# Altium PCB Main_Board.PcbDoc (part 1 of 3) (continued)
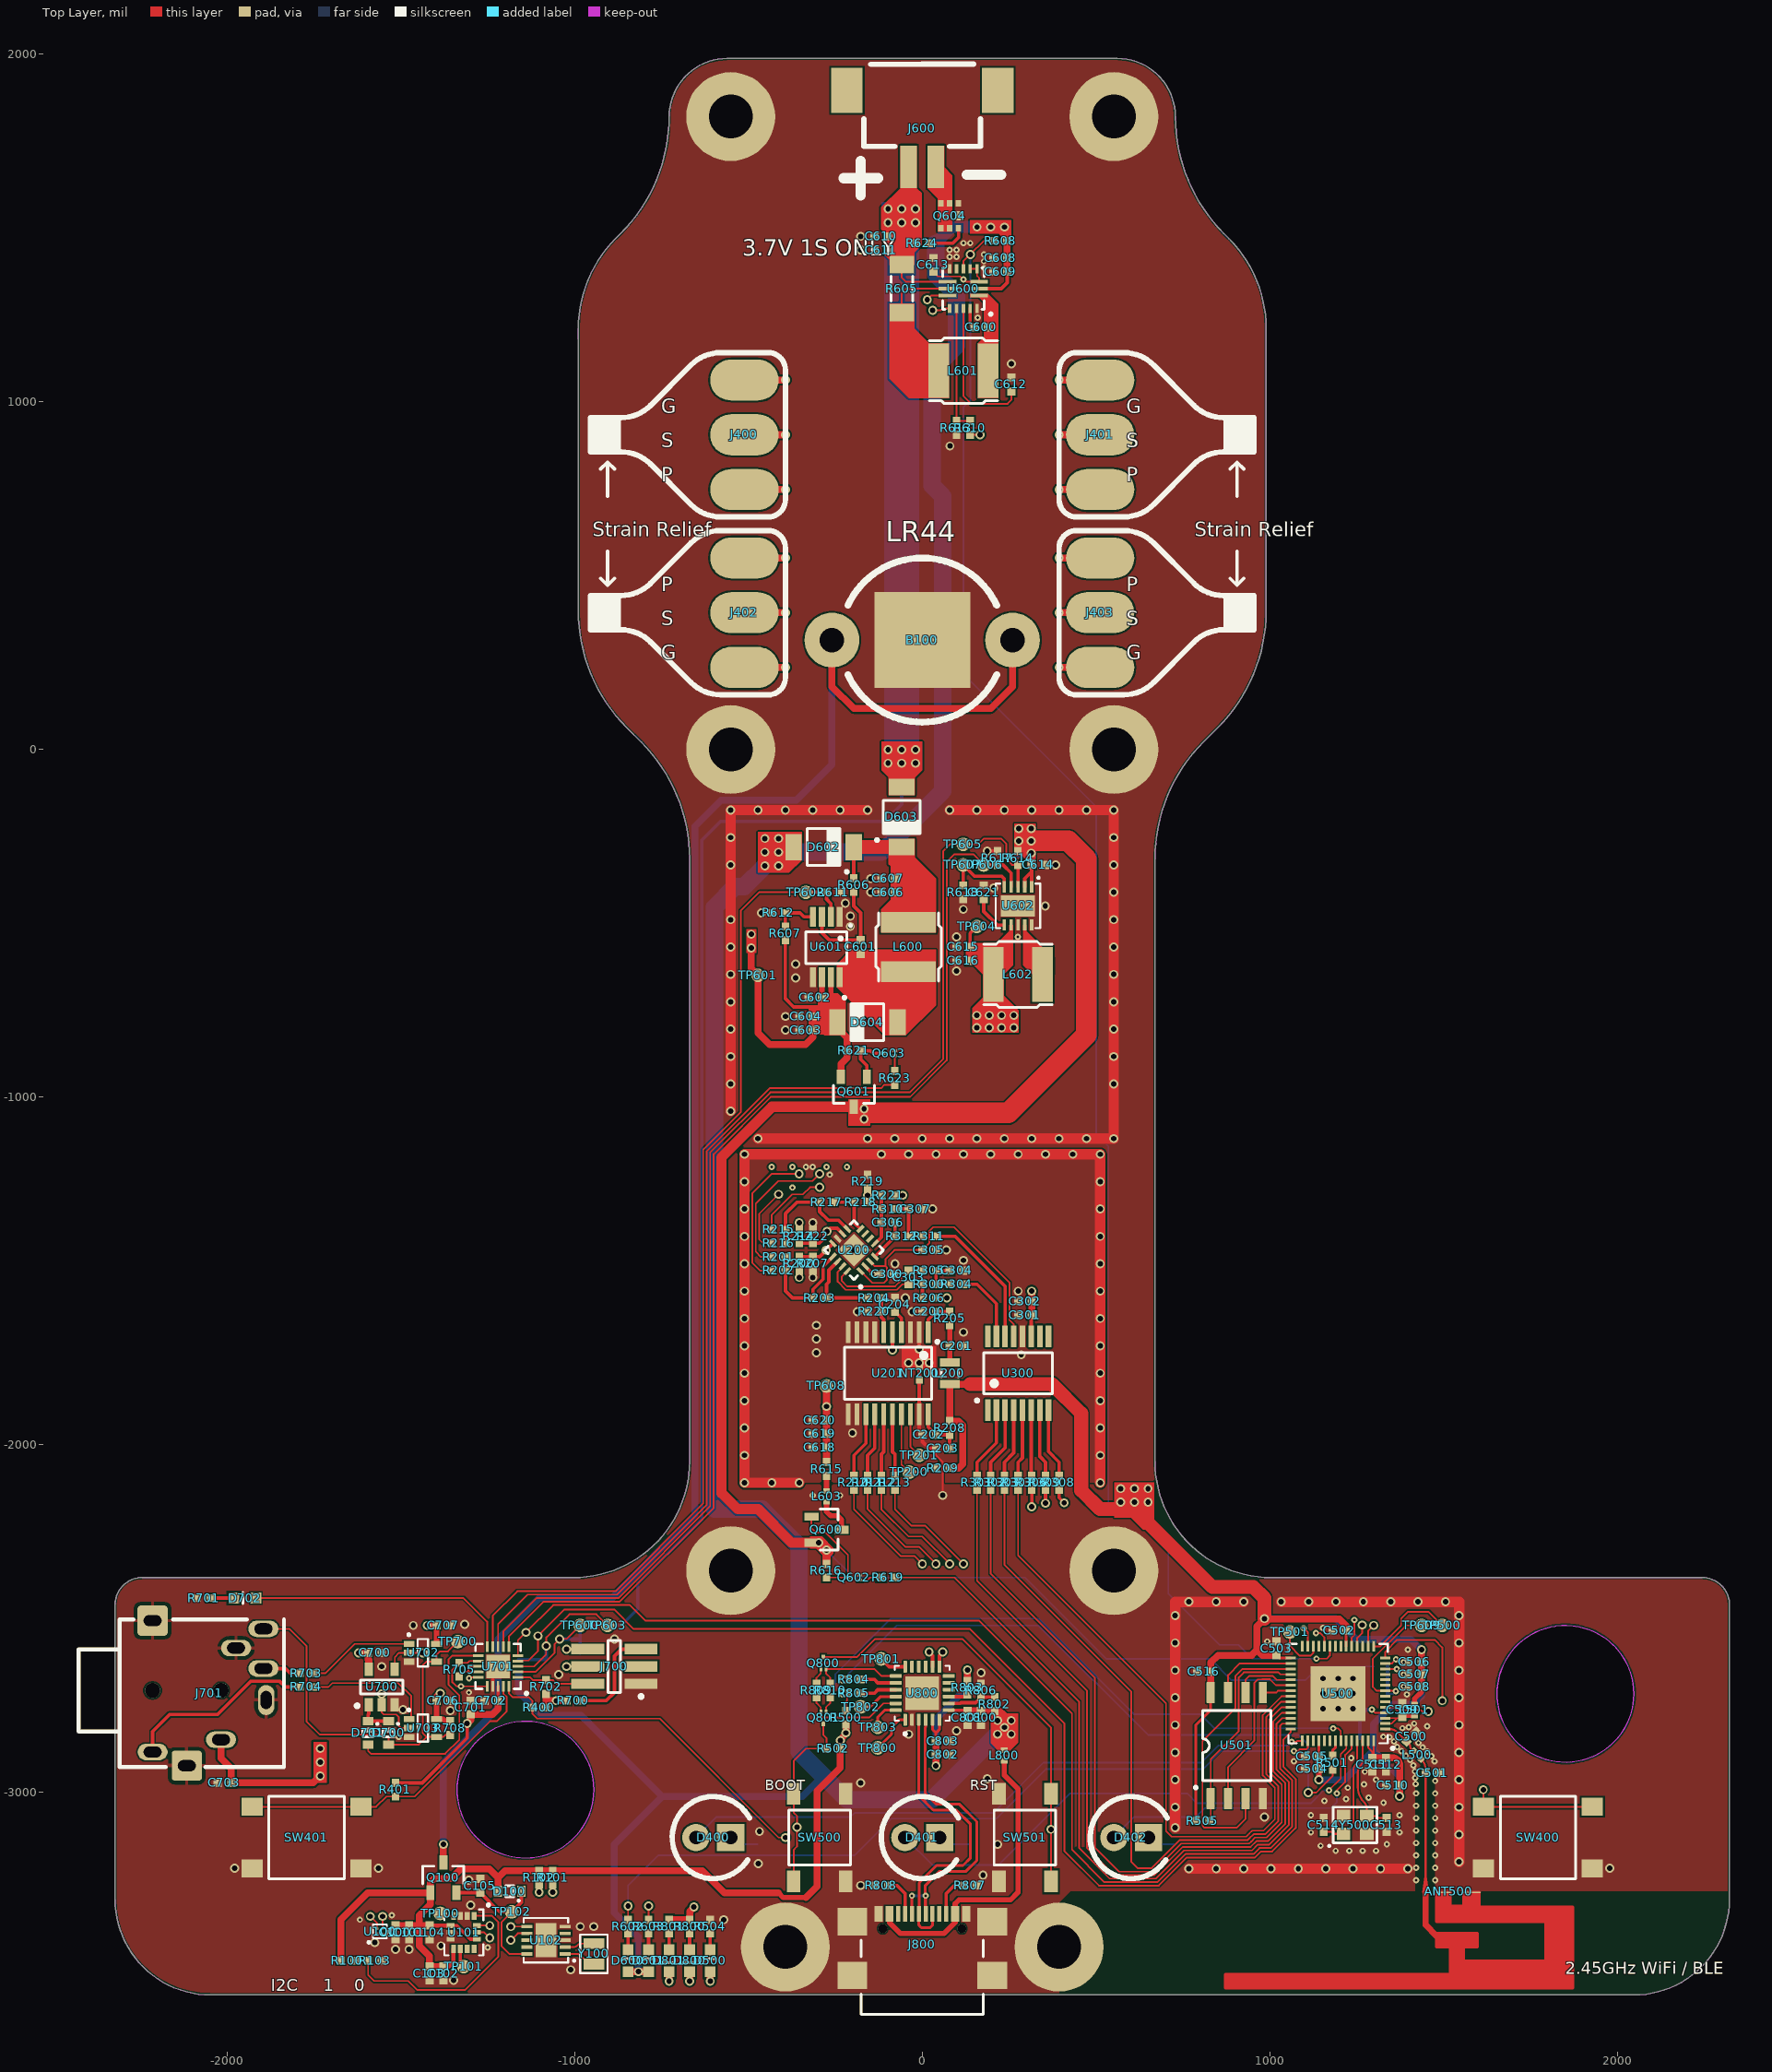
[diagram p0: Top Layer view]
## Components (designator, comment, footprint, x,y, rotation, side; value= is the part's Value field where it differs from the comment) (continued)
R610 "10k" RES,0402 137.8,925.2 r90 top
R611 "10k" RES,0402 -256.1,-410.57 r180 top
R612 "100k" RES,0402 -413.58,-469.63 r0 top
R613 "3380K" RES,0402 98.43,925.2 r270 top
R614 "100k" RES,0402 275.39,-312.15 r90 top
R615 "10R" RES,0402 -275.39,-2069.74 r90 top
R616 "10k" RES,0402 -275.59,-2362.2 r90 top
R617 "100k" RES,0402 216.34,-312.15 r270 top
R618 "100k" RES,0402 117.91,-410.57 r270 top
R619 "10k" RES,0402 -98.43,-2381.89 r0 top
R620 "10k" RES,0402 1318.9,-2637.8 r180 bottom
R621 "10k" RES,0402 -196.85,-866.14 r180 top
R622 "10k" RES,0402 1318.9,-2677.17 r0 bottom
R623 "10k" RES,0402 -78.74,-944.88 r270 top
R624 "10k" RES,0402 0,1456.69 r180 top
R700 "1k" RES,0402 -1003.94,-2736.22 r180 top
R701 "330R" RES,0402 -2066.93,-2440.94 r0 top
R702 "10k" RES,0402 -1082.68,-2696.85 r270 top
R703 "150R" RES,0402 -1771.65,-2657.48 r0 top
R704 "150R" RES,0402 -1771.65,-2696.85 r0 top
R705 "10k" RES,0402 -1332.26,-2647.03 r90 top
R708 "10k" RES,0402 -1358.27,-2814.96 r90 top
R800 "150R" RES,0402 -669.29,-3385.83 r90 top
R801 "150R" RES,0402 -728.35,-3385.83 r90 top
R802 "22k" RES,0402 208.66,-2746.04 r90 top
R803 "1k" RES,0402 129.92,-2698.79 r90 top
R804 "0R" RES,0402 -196.85,-2675.17 r180 top
R805 "0R" RES,0402 -196.85,-2714.54 r180 top
R806 "47k" RES,0402 169.3,-2706.67 r270 top
R807 "5k11" RES,0402 137.8,-3267.72 r180 top
R808 "5k11" RES,0402 -118.11,-3267.72 r0 top
R809 "10k" RES,0402 -304.13,-2706.67 r270 top
R810 "10k" RES,0402 -264.76,-2706.67 r90 top
SW400 "Switch" Switch,Tactile,SPST-NO,SMD 1771.65,-3129.92 r180 top locked
SW401 "Switch" Switch,Tactile,SPST-NO,SMD -1771.65,-3129.92 r180 top locked
SW500 "Switch" SWITCH,TACTILE,MICRO,SPST-NO,SMD -295.28,-3129.92 r90 top
SW501 "Switch" SWITCH,TACTILE,MICRO,SPST-NO,SMD 295.28,-3129.92 r90 top
TP100 "TESTPOINT" TESTPOINT,SMD,ROUND,1MM -1386.9,-3348.17 r180 top
TP101 "TESTPOINT" TESTPOINT,SMD,ROUND,1MM -1319.09,-3501.12 r180 top
TP102 "TESTPOINT" TESTPOINT,SMD,ROUND,1MM -1181.3,-3343.64 r180 top
TP200 "TESTPOINT" TESTPOINT,SMD,ROUND,1MM -37.49,-2078.75 r0 top
TP201 "TESTPOINT" TESTPOINT,SMD,ROUND,1MM -8.66,-2030.37 r0 top
TP500 "TESTPOINT" testpoint,smd,round,1mm 1496.06,-2519.68 r90 top
TP501 "TESTPOINT" testpoint,smd,round,1mm 1057.73,-2538.69 r90 top
TP600 "TESTPOINT" TESTPOINT,SMD,ROUND,1MM -984.25,-2519.68 r90 top
TP601 "TESTPOINT" TESTPOINT,SMD,ROUND,1MM -472.44,-649.61 r90 top
TP602 "TESTPOINT" TESTPOINT,SMD,ROUND,1MM -334.84,-410.57 r90 top
TP603 "TESTPOINT" TESTPOINT,SMD,ROUND,1MM -905.51,-2519.68 r90 top
TP604 "TESTPOINT" TESTPOINT,SMD,ROUND,1MM 157.28,-509 r90 top
TP605 "TESTPOINT" TESTPOINT,SMD,ROUND,1MM 117.91,-272.78 r90 top
TP606 "TESTPOINT" TESTPOINT,SMD,ROUND,1MM 176.97,-331.83 r90 top
TP607 "TESTPOINT" TESTPOINT,SMD,ROUND,1MM 117.91,-331.83 r90 top
TP608 "TESTPOINT" TESTPOINT,SMD,ROUND,1MM -275.59,-1830.71 r0 top
TP609 "TESTPOINT" TESTPOINT,SMD,ROUND,1MM 1437.01,-2519.68 r90 top
TP700 "TESTPOINT" testpoint,smd,round,1mm -1336.23,-2566.43 r90 top
TP800 "TESTPOINT" TESTPOINT,SMD,ROUND,1MM -127.95,-2872.02 r180 top
TP801 "TESTPOINT" TESTPOINT,SMD,ROUND,1MM -118.11,-2616.12 r180 top
TP802 "TESTPOINT" TESTPOINT,SMD,ROUND,1MM -177.16,-2753.91 r180 top
TP803 "TESTPOINT" TESTPOINT,SMD,ROUND,1MM -127.95,-2812.97 r180 top
U100 "MMC5633NJL" IC,WLP,2X2,P0.4MM -1568.54,-3407.71 r90 top
U101 "ISM330DHCXTR" IC,LGA-14L,2.5X3MM -1319.09,-3402.7 r270 top
U102 "PCF85063ATL/1,118" IC,DFN-10_3X3,P0.5MM -1082.68,-3425.2 r180 top
U200 "TLV9004SIRTER" IC,QFN-16,3X3 -196.65,-1439.82 r135 top
U201 "MCP3561RT-E/ST" IC,TSSOP-20,W4.4 -98.23,-1794.15 r270 top
U300 "PCM1780DBQR" IC,TSSOP-16,W3.9,P0.635MM 275.79,-1794.15 r90 top
U500 "ESP32-S3R8" IC,QFN-56,7X7,P0.4MM 1196.27,-2715.64 r180 top
U501 "AT25SF128A-SHB-T" IC,SOIC-8,1.27MM,W5.28 904.93,-2865.25 r90 top
U600 "MP2615AGQ-Z" IC,QFN-16,3x3,P5x3 118.31,1325.93 r180 top
U601 "LM2623AMM/NOPB" IC,TSSOP-8,W3.0 -275.79,-568.05 r270 top
U602 "RP506K331B-TR" IC,DFN-10_3X3,P0.5MM 275.39,-449.94 r270 top
U700 "SN74LVC1G240DBVT" sot23-5 -1555.12,-2696.85 r90 top
U701 "PIC18F14Q40-I/REB" IC,QFN-20,3X3,PAD,P0.4 -1220.47,-2637.8 r180 top
U702 "NS5B1G384DFT2G" SC70-5 -1437.01,-2598.43 r0 top
U703 "NS5B1G384DFT2G" SC70-5 -1437.01,-2814.96 r0 top
U800 "CP2102N-A02-GQFN24R" IC,VQFN-24,THERMAL,4X4 0,-2714.54 r90 top
Y100 "32.768kHz" XTAL,SMD,2PIN,2.0X1.2MM -944.88,-3464.57 r270 top
Y500 "40MHz" "XTAL,SMD,4 PIN,2X2.5MM" 1245.48,-3093.6 r0 top

## Footprints (in the part's own frame and the unit in brackets; to place one, negate y for a bottom-side part, rotate by r counter-clockwise, add the part's x,y. Pads: shape width x height; smd on the part's side, far side on the other; paste and mask are expansions set on the pad)
ANT,PCB,IFA,2.45GHZ [mm] "Cypress Antenna Design and RF Layout Guidelines"
  rect 0.1x0.1 smd mask+0.102: 1(0,0)
  rect 1.3x0.1 smd mask+0.102: 2(-3.362,0.127)
  rect 1.1x0.1 smd mask+0.102: 2(-1.287,0.127)
  Top Layer lines w0.203: 14.63,6.325 -10.77,6.325 ; -0.787,3.886 -3.787,3.886 ; -0.787,3.683 -3.787,3.683 ; -0.787,3.48 -3.787,3.48 ; -0.787,2.057 -10.77,2.057 ; -0.787,1.651 -10.77,1.651 ; -0.787,1.448 -10.77,1.448 ; -0.787,1.245 -10.77,1.245 ; -0.787,1.041 -1.787,1.041 ; -0.787,0.432 -1.787,0.432 ; -0.787,0.229 -1.287,0.229 -1.787,0.229 ; -1.787,6.121 -10.77,6.121 ; -1.787,5.918 -10.77,5.918 ; -1.787,5.715 -10.77,5.715 ; -1.787,5.309 -10.77,5.309 ; -1.787,5.105 -2.787,5.105 ; -1.787,4.293 -2.787,4.293 ; -2.787,4.699 -1.787,4.699 ; -3.937,0.838 -2.787,0.838 ; -3.937,0.635 -2.787,0.635 ; -3.937,0.432 -2.787,0.432 ; -3.937,0.229 -3.362,0.229 -2.787,0.229 ; -8.787,4.293 -10.77,4.293 ; -8.787,3.886 -10.77,3.886 ; -8.787,3.683 -10.77,3.683 ; -8.787,2.87 -10.77,2.87 ; -8.787,2.667 -10.77,2.667 ; -8.787,2.464 -10.77,2.464 ; -10.77,6.934 14.63,6.934 ; -10.77,6.731 14.63,6.731 ; -10.77,6.528 14.63,6.528 ; -10.77,5.105 -8.787,5.105 ; -10.77,4.699 -8.787,4.699 ; -10.77,4.496 -8.787,4.496 ; -10.77,4.089 -8.787,4.089 ; -10.77,3.48 -8.787,3.48 ; -10.77,3.073 -8.787,3.073 ; -10.77,2.261 -0.787,2.261 ; 14.63,6.934 14.63,6.934 ; 14.63,6.934 14.63,6.731 ; 14.63,6.934 14.63,7.137 -10.77,7.137 -10.77,5.715 ; 14.63,6.731 14.63,6.731 ; 14.63,6.731 14.63,6.528 ; 14.63,6.528 14.63,6.528 ; 14.63,6.528 14.63,6.127 -1.787,6.127 -1.787,5.512 ; -0.787,4.089 -3.787,4.089 ; -0.787,4.089 -0.787,3.309 -0.787,3.277 ; -0.787,4.089 -0.787,4.127 -1.787,4.127 -1.787,4.496 ; -0.787,3.277 -3.787,3.277 ; -0.787,3.277 -0.787,3.277 ; -0.787,3.277 -0.787,3.127 -3.787,3.127 -3.787,3.277 ; -0.787,2.261 -0.787,1.854 ; -0.787,2.261 -8.787,2.261 -8.787,3.073 ; -0.787,1.854 -10.77,1.854 ; -0.787,1.854 -0.787,1.854 ; -0.787,1.854 -0.787,0.838 ; -0.787,0.838 -1.787,0.838 ; -0.787,0.838 -0.787,0.838 ; -0.787,0.838 -0.787,0.635 ; -0.787,0.635 -0.787,0.127 -1.287,0.127 -1.787,0.127 ; -0.787,0.635 -1.787,0.635 ; -0.787,0.635 -0.787,0.635 ; -1.787,5.512 -10.77,5.512 ; -1.787,5.512 -1.787,5.512 ; -1.787,5.512 -1.787,4.902 ; -1.787,4.902 -2.787,4.902 ; -1.787,4.902 -1.787,4.902 ; -1.787,4.902 -1.787,4.699 ; -1.787,4.699 -1.787,4.496 ; -1.787,4.699 -1.787,4.699 ; -1.787,4.496 -2.787,4.496 ; -1.787,4.496 -1.787,4.496 ; -1.787,0.838 -1.787,0.635 ; -1.787,0.838 -1.787,1.127 -2.787,1.127 -2.787,1.041 ; -1.787,0.635 -1.787,0.432 ; -1.787,0.635 -1.787,0.635 ; -1.787,0.432 -1.787,0.229 ; -1.787,0.229 -1.787,0.127 ; -1.787,0.127 -1.787,0.127 ; -2.787,5.105 -2.787,4.902 ; -2.787,5.105 -2.787,5.127 -8.787,5.127 -8.787,5.105 ; -2.787,5.105 -2.787,5.105 ; -2.787,4.902 -2.787,4.496 ; -2.787,4.902 -2.787,4.902 ; -2.787,4.496 -2.787,4.127 -3.787,4.127 -3.787,4.089 ; -2.787,4.496 -2.787,4.496 ; -2.787,1.041 -3.937,1.041 ; -2.787,1.041 -2.787,1.041 ; -2.787,1.041 -2.787,0.838 ; -2.787,0.838 -2.787,0.635 ; -2.787,0.838 -2.787,0.838 ; -2.787,0.635 -2.787,0.635 ; -2.787,0.635 -2.787,0.432 ; -2.787,0.432 -2.787,0.229 ; -2.787,0.229 -2.787,0.127 ; -2.787,0.229 -2.787,0.229 ; -2.787,0.127 -2.787,0.127 ; -2.787,0.127 -3.362,0.127 -3.937,0.127 ; -2.787,0.127 -2.787,0.127 ; -3.787,4.089 -3.787,3.886 ; -3.787,4.089 -3.787,4.089 ; -3.787,3.886 -3.787,3.683 ; -3.787,3.886 -3.787,3.886 ; -3.787,3.683 -3.787,3.48 ; -3.787,3.683 -3.787,3.683 ; -3.787,3.48 -3.787,3.277 ; -3.787,3.48 -3.787,3.48 ; -3.787,3.277 -3.787,3.277 ; -3.937,1.041 -3.937,0.127 ; -3.937,1.041 -3.937,1.168 -10.236,1.194 -10.77,1.194 -10.77,1.245 ; -3.937,1.041 -3.937,1.041 ; -3.937,0.127 -3.937,0.127 ; -3.937,0.127 -3.937,0.127 ; -8.787,5.105 -8.787,4.902 ; -8.787,5.105 -8.787,5.105 ; -8.787,4.902 -8.787,4.699 ; -8.787,4.902 -10.77,4.902 ; -8.787,4.902 -8.787,4.902 ; -8.787,4.699 -8.787,4.496 ; -8.787,4.699 -8.787,4.699 ; -8.787,4.496 -8.787,4.089 ; -8.787,4.496 -8.787,4.496 ; -8.787,4.089 -8.787,3.48 ; -8.787,3.48 -8.787,3.277 ; -8.787,3.277 -8.787,3.073 ; -8.787,3.277 -10.77,3.277 ; -8.787,3.073 -8.787,3.073 ; -10.77,5.715 -10.77,5.512 ; -10.77,5.512 -10.77,5.309 ; -10.77,5.309 -10.77,4.902 ; -10.77,5.309 -10.77,5.309 ; -10.77,4.902 -10.77,3.277 ; -10.77,3.277 -10.77,2.464 ; -10.77,2.464 -10.77,2.057 ; -10.77,2.464 -10.77,2.464 ; -10.77,2.057 -10.77,1.854 ; -10.77,2.057 -10.77,2.057 ; -10.77,1.854 -10.77,1.448 ; -10.77,1.854 -10.77,1.854 ; -10.77,1.448 -10.77,1.245 ; -10.77,1.448 -10.77,1.448 ; -10.77,1.245 -10.77,1.245
  Top Layer lines w0.457: 0,0 0,2.521 -0.787,3.309 -0.854,3.375
CAP,SMD,0402 [mm] "KEMET C0402C100K5GACTU"
  rect 0.6x0.6 smd: 1(-0.5,0) 2(0.5,0)
  body extent -0.5,-0.25 0.5,0.25, height 0.5
Cap,SMD,0402 [mm] "KEMET C0402C100K5GACTU"
  rect 0.6x0.6 smd: 1(-0.5,0) 2(0.5,0)
  body extent -0.5,-0.25 0.5,0.25, height 0.5
CONN,JACK,TRS,3.5MM,THRU,SHIELDED [mm] "CUI Devices SJ-435107RS"
  rrect20% 2.2x2.2 hole 0.8 slot 1.3 at 0 deg mask+0.05: 0(2.4,5.1) 0(4.9,-5.5)
  rrect100% 1.2x2.2 hole 0.8 slot 1.3 at 90 deg mask+0.05: 1(10.7,-0.7)
  rrect100% 2.2x1.2 hole 0.8 slot 1.3 at 0 deg mask+0.05: 2(7.4,-3.6) 3(10.5,1.6) 4(2.4,-4.5) 5(8.5,3.1) 6(10.5,4.5)
  round 1.1 hole 1.1 unplated: ""(2.4,0) ""(7.4,0)
  silkscreen extent -3,-5.6 12,5.2, body extent -3,-5.85 12,5.45, height 8.3
Conn,JST,2Pin,2mm,SMD [mm] "Hirose DF3EA-2P-2H(21)"
  rect 2.3x3.3 smd mask+0.05: 0(-5.5,5.6) 0(5.52,5.6)
  rect 1.2x3.1 smd mask+0.05: 1(-1,0) 2(1,0)
  silkscreen extent -4.25,1.5 4.25,7.5, body extent -5.75,-0.9 5.75,7.5, height 5.8
CONN,USB_C,SMD [mm] "GCT USB4110-GF-A"
  rect 2.18x2 smd: 0(-5.11,-3.43) 0(-5.11,0.5) 0(5.11,0.5) 0(5.11,-3.43)
  rect 0.6x1.15 smd: A1/B12(-3.2,1.075) A4/B9(-2.4,1.075) A9/B4(2.4,1.075) A12/B1(3.2,1.075)
  rect 0.3x1.15 smd: A5(-1.25,1.075) A6(-0.25,1.075) A7(0.25,1.075) A8(1.25,1.075) B5(1.75,1.075) B6(0.75,1.075) B7(-0.75,1.075) B8(-1.75,1.075)
  round 0.65 hole 0.65 unplated: ""(-2.89,0) ""(2.89,0)
  silkscreen extent -4.47,-6.28 4.47,-0.86, body extent -5.65,-6.28 5.65,1.42, height 3.26
HOLDER,CELL,LR44,PCB,THRU [mm] "Keystone Electronics 2997"
  round 4 hole 1.8 mask+0.05: 1(-6.6,0) 1(6.6,0)
  rect 7x7 smd mask+0.05: 2(0,0)
  silkscreen extent -5.44,-6 5.44,6, body extent -7.45,-5.08 7.45,6.98, height 6.25
IC,DFN-10_3X3,P0.5MM [mil] "Microchip Technology MCP73833-BZI/MF"
  rect 32x10 smd paste+0 mask+1.97: 1(-55,39.37) 2(-55,19.69) 3(-55,0) 4(-55,-19.68) 5(-55,-39.37) 6(55,-39.37) 7(55,-19.68) 8(55,0) 9(55,19.69) 10(55,39.37)
  rect 60x98 smd paste+0 mask+0: 11(0,0)
  silkscreen extent -84,-64 64,64, body extent -59,-59 59,59, height 37
IC,LGA-14L,2.5X3MM [mil] "STMicroelectronics ISM330DHCXTR"
  rect 23x14 smd paste+0 mask+1.97: 1(-47.5,29.54) 2(-47.5,9.85) 3(-47.5,-9.84) 4(-47.5,-29.54) 8(47.5,-29.54) 9(47.5,-9.84) 10(47.5,9.85) 11(47.5,29.54)
  rect 14x23 smd paste+0 mask+1.97: 5(-19.69,-37.74) 6(0,-37.74) 7(19.69,-37.74) 12(19.69,37.74) 13(0,37.74) 14(-19.69,37.74)
  silkscreen extent -82,-56 66,75, body extent -61,-51 61,51, height 65
IC,QFN-16,3X3 [mm] "Nordic Semiconductor NRF24L01P"
  rect 0.65x0.25 smd: 1(-1.425,0.75) 2(-1.425,0.25) 3(-1.425,-0.25) 4(-1.425,-0.75) 9(1.425,-0.75) 10(1.425,-0.25) 11(1.425,0.25) 12(1.425,0.75)
  rect 0.25x0.65 smd: 5(-0.75,-1.425) 6(-0.25,-1.425) 7(0.25,-1.425) 8(0.75,-1.425) 13(0.75,1.425) 14(0.25,1.425) 15(-0.25,1.425) 16(-0.75,1.425)
  rect 1.7x1.7 smd mask+0.05: 17(0,0)
  silkscreen extent -2.35,-1.53 1.53,1.65, body extent -1.52,-1.55 1.52,1.49, height 0.9
IC,QFN-16,3x3,P5x3 [mm] "Nordic Semiconductor NRF24L01P"
  rect 1.3x0.25 smd mask+0.05: 1(-1.15,0.5) 2(-1.15,0) 3(-1.15,-0.5) 9(1.15,-0.5) 10(1.15,0) 11(1.15,0.5)
  rect 0.25x0.7 smd mask+0.05: 4(-1,-1.45) 5(-0.5,-1.45) 6(0,-1.45) 7(0.5,-1.45) 8(1,-1.45) 12(1,1.45) 13(0.5,1.45) 14(0,1.45) 15(-0.5,1.45) 16(-1,1.45)
  silkscreen extent -2.1,-1.53 1.53,1.96, body extent -1.5,-1.5 1.5,1.5, height 1.1
IC,QFN-20,3X3,PAD,P0.4 [mm] "Semtech SX1508B"
  rect 0.8x0.2 smd mask+0.05: 1(-1.45,0.8) 2(-1.45,0.4) 3(-1.45,0) 4(-1.45,-0.4) 5(-1.45,-0.8) 11(1.45,-0.8) 12(1.45,-0.4) 13(1.45,0) 14(1.45,0.4) 15(1.45,0.8)
  rect 0.2x0.8 smd mask+0.05: 6(-0.8,-1.45) 7(-0.4,-1.45) 8(0,-1.45) 9(0.4,-1.45) 10(0.8,-1.45) 16(0.8,1.45) 17(0.4,1.45) 18(0,1.45) 19(-0.4,1.45) 20(-0.8,1.45)
  rect 1.7x1.7 smd mask+0.05: 21(0,0)
  silkscreen extent -2.17,-1.65 1.65,2.07, body extent -1.55,-1.55 1.55,1.55, height 0.6
IC,QFN-56,7X7,P0.4MM [mil] "Espressif Systems ESP32-S2"
  rect 30x8 smd paste+0 mask+0: 1(-136,102.36) 2(-136,86.61) 3(-136,70.87) 4(-136,55.12) 5(-136,39.37) 6(-136,23.62) 7(-136,7.87) 8(-136,-7.87) 9(-136,-23.62) 10(-136,-39.37) 11(-136,-55.12) 12(-136,-70.87) 13(-136,-86.61) 14(-136,-102.36) 29(136,-102.36) 30(136,-86.61) 31(136,-70.87) 32(136,-55.12) 33(136,-39.37) 34(136,-23.62) 35(136,-7.87) 36(136,7.87) 37(136,23.62) 38(136,39.37) 39(136,55.12) 40(136,70.87) 41(136,86.61) 42(136,102.36)
  rect 8x30 smd paste+0 mask+0: 15(-102.36,-136) 16(-86.61,-136) 17(-70.87,-136) 18(-55.12,-136) 19(-39.37,-136) 20(-23.62,-136) 21(-7.87,-136) 22(7.87,-136) 23(23.62,-136) 24(39.37,-136) 25(55.12,-136) 26(70.87,-136) 27(86.61,-136) 28(102.36,-136) 43(102.36,136) 44(86.61,136) 45(70.87,136) 46(55.12,136) 47(39.37,136) 48(23.62,136) 49(7.87,136) 50(-7.87,136) 51(-23.62,136) 52(-39.37,136) 53(-55.12,136) 54(-70.87,136) 55(-86.61,136) 56(-102.36,136)
  rect 158x158 smd paste-78.5 mask+0: 57(0,0)
  silkscreen extent -161,-143 143,161, body extent -139,-139 139,139, height 35
IC,SOIC-8,1.27MM,W5.28 [mm] "Winbond W25Q64JV"
  rrect10% 1.55x0.6 smd mask+0.05: 1(-3.87,1.905) 2(-3.87,0.635) 3(-3.87,-0.635) 4(-3.87,-1.905) 5(3.87,-1.905) 6(3.87,-0.635) 7(3.87,0.635) 8(3.87,1.905)
  silkscreen extent -3.14,-2.5 2.57,3.07, body extent -4.05,-2.73 4.05,2.73, height 1.75
IC,TSSOP-8,W3.0 [mm] "Texas Instruments LM393ADGKR"
  rrect10% 1.45x0.45 smd mask+0.05: 1(-2.2,0.975) 2(-2.2,0.325) 3(-2.2,-0.325) 4(-2.2,-0.975) 5(2.2,-0.975) 6(2.2,-0.325) 7(2.2,0.325) 8(2.2,0.975)
  silkscreen extent -1.61,-1.5 1.2,1.81, body extent -2.05,-1.55 2.05,1.55, height 1.1
IC,TSSOP-16,W3.9,P0.635MM [mm] "Texas Instruments PCM1780DBQR"
  rrect10% 1.6x0.41 smd mask+0.05: 1(-2.7,2.222) 2(-2.7,1.587) 3(-2.7,0.952) 4(-2.7,0.317) 5(-2.7,-0.318) 6(-2.7,-0.953) 7(-2.7,-1.588) 8(-2.7,-2.222) 9(2.7,-2.222) 10(2.7,-1.587) 11(2.7,-0.953) 12(2.7,-0.317) 13(2.7,0.318) 14(2.7,0.953) 15(2.7,1.588) 16(2.7,2.222)
  silkscreen extent -2.09,-2.5 1.5,3.09, body extent -3,-2.49 3,2.49, height 1.1
IC,TSSOP-20,W4.4 [mm] "Texas Instruments SN74LVC244APWR"
  rrect10% 1.6x0.35 smd mask+0.05: 1(-3,2.925) 2(-3,2.275) 3(-3,1.625) 4(-3,0.975) 5(-3,0.325) 6(-3,-0.325) 7(-3,-0.975) 8(-3,-1.625) 9(-3,-2.275) 10(-3,-2.925) 11(3,-2.925) 12(3,-2.275) 13(3,-1.625) 14(3,-0.975) 15(3,-0.325) 16(3,0.325) 17(3,0.975) 18(3,1.625) 19(3,2.275) 20(3,2.925)
  silkscreen extent -2.39,-3.17 1.9,3.69, body extent -3.27,-3.3 3.28,3.3, height 1.2
IC,VQFN-24,THERMAL,4X4 [mm] "Texas Instruments BQ24616RGET"
  rrect25% 0.86x0.27 smd: 1(-1.935,1.25) 2(-1.935,0.75) 3(-1.935,0.25) 4(-1.935,-0.25) 5(-1.935,-0.75) 6(-1.935,-1.25) 13(1.935,-1.25) 14(1.935,-0.75) 15(1.935,-0.25) 16(1.935,0.25) 17(1.935,0.75) 18(1.935,1.25)
  rrect25% 0.27x0.86 smd: 7(-1.25,-1.935) 8(-0.75,-1.935) 9(-0.25,-1.935) 10(0.25,-1.935) 11(0.75,-1.935) 12(1.25,-1.935) 19(1.25,1.935) 20(0.75,1.935) 21(0.25,1.935) 22(-0.25,1.935) 23(-0.75,1.935) 24(-1.25,1.935)
  rect 2.45x2.45 smd paste-0.45: 25(0,0)
  silkscreen extent -3.07,-2 2,2, body extent -2,-2 2,2, height 1
IC,WDFN-6,P0.65 [mm] "ON Semiconductor FDMA6676PZ"
  rect 0.4x0.475 smd mask+0.05: 1(-0.65,0.913) 1(-0.65,-0.913) 1(0,-0.913) 1(0,0.913) 2(0.65,-0.912) 3(0.65,0.913)
  rect 0.4x0.66 smd mask+0.05: 3(0.65,0)
  Top Layer region: -0.85,-0.913 -0.85,0.912 0.2,0.912 0.2,-0.913
  body extent -1,-1 1,1, height 0.76
IC,WLP,2X2,P0.4MM [mm] "Memsic Inc. MMC5633NJL"
  round 0.23 smd mask+0.05: A1(0,0) A2(0.4,0) B1(0,-0.4) B2(0.4,-0.4)
  silkscreen extent -0.67,-0.7 0.7,0.67, body extent -0.24,-0.64 0.64,0.24, height 0.61
IND,0402 [mm] "Murata LQW15AN9N1G00D"
  rect 0.4x0.5 smd: 1(-0.4,0) 2(0.4,0)
  body extent -0.56,-0.26 0.56,0.26, height 0.65
IND,0805 [mm] "Taiyo Yuden LBR2012T100K"
  rect 0.6x1.45 smd mask+0.05: 1(-0.8,0) 2(0.8,0)
  silkscreen extent -0.3,-0.63 0.3,0.63, body extent -1,-0.62 1,0.63, height 0.49
IND,WIREWOUND,4.9X4.9,SMD [mm] "Taiyo Yuden NRS5030T4R7MMGJV"
  rect 1.5x4 smd mask+0.05: 1(-1.8,0) 2(1.8,0)
  silkscreen extent -2.5,-2.4 2.5,2.4, body extent -2.45,-2.45 2.45,2.45, height 3
IND,WIREWOUND,4.9x4.9,SMD [mm] "Taiyo Yuden NRS5030T4R7MMGJV"
  rect 1.5x4 smd mask+0.05: 1(-1.8,0) 2(1.8,0)
  silkscreen extent -2.5,-2.4 2.5,2.4, body extent -2.45,-2.45 2.45,2.45, height 3
LED,5MM,THRU [mm] "TT Electronics/Optek Technology OVLFR3C7"
  round 2 hole 1 mask+0.05: 1(-1.27,0)
  rect 2x2 hole 1 mask+0.05: 2(1.27,0)
  silkscreen extent -3,-3 2.64,3, body extent -3,-3 2.5,3, height 14.8
LED,0603 [mm] "Stanley Electric Co THG1111C-0005-TR"
  rect 0.8x0.8 smd mask+0.05: 1(-0.8,0) 2(0.8,0)
  silkscreen extent 0.15,-0.4 0.15,0.4, body extent -0.81,-0.37 0.84,0.36, height 0.68
"Net Tie,20x60mil" [mil] "Net Tie,20x60mil,10mil Track"
  rect 20x20 smd mask+4: 1(-20,0) 2(20,0)
  Top Layer region: -10.15,-5.91 10.32,-5.91 10.32,5.9 -10.15,5.9
RES,0402 [mm] "Yageo RC0402FR-0722RL"
  rect 0.6x0.55 smd: 1(-0.5,0) 2(0.5,0)
  body extent -0.5,-0.25 0.5,0.25, height 0.35
RES,1206 [mm] "Stackpole Electronics CSRF1206FT10L0"
  rect 1.3x1.8 smd mask+0.05: 1(-1.75,0) 2(1.75,0)
  silkscreen extent -0.9,-0.8 0.9,0.8, body extent -1.6,-0.8 1.6,0.8, height 0.55
SC70-5 [mm] "ON Semiconductor NS5B1G384DFT2G"
  rect 0.8x0.45 smd mask+0.05: 1(-1,0.65) 2(-1,0) 3(-1,-0.65) 4(1,-0.65) 5(1,0.65)
  silkscreen extent -1.1,-1 0.37,1.4, body extent -1.05,-1 1.05,1, height 0.95
SOD128 [mm] "Nexperia PMEG6030EVPX"
  rect 1.2x1.9 smd mask+0.05: 1(-2.2,0) 2(2.2,0)
  silkscreen extent -1.76,-1.35 1.2,1.88, body extent -2.5,-1.35 2.5,1.35, height 1.1
SOD523 [mm] "Micro Commercial BZT52C2V4T"
  rect 0.6x0.8 smd mask+0.05: 1(-0.85,0) 2(0.85,0)
  silkscreen extent -0.68,-0.4 0.3,0.7, body extent -0.8,-0.4 0.8,0.4, height 0.7
SOT23-3 [mm] "Texas Instruments TL431BIDBZR"
  rect 1.05x0.6 smd: 1(-1.1,0.95) 2(-1.1,-0.95) 3(1.1,0)
  silkscreen extent -0.46,-1.5 0.84,1.5, body extent -1.25,-1.46 1.23,1.46, height 1
sot23-5 [mm] "Texas Instruments TPS62203DBVR"
  rect 1x0.6 smd: 1(-1.3,0.95) 2(-1.3,0) 3(-1.3,-0.95) 4(1.3,-0.95) 5(1.3,0.95)
  silkscreen extent -1.5,-1.55 0.5,1.92, body extent -1.25,-1.5 1.25,1.5, height 1.11
SOT1123 [mm] "ON Semiconductor NST3904F3T5G"
  rect 0.34x0.2 smd: 1(-0.43,0.19) 2(-0.43,-0.19)
  rect 0.34x0.26 smd: 3(0.43,0)
  body extent -0.51,-0.3 0.51,0.3, height 0.4
SWITCH,TACTILE,MICRO,SPST-NO,SMD [mm] "C&K PTS645SK43SMTR92 LFS"
  rect 1.6x1 smd mask+0.05: 1(-3.2,1.9) 2(3.2,1.9) 3(-3.2,-1.9) 4(3.2,-1.9)
  silkscreen extent -2,-2.25 2,2.25, body extent -3.2,-2.6 3.2,2.6, height 1.5
Switch,Tactile,SPST-NO,SMD [mm] "C&K PTS645SK43SMTR92 LFS"
  rect 1.55x1.3 smd mask+0.05: 1(-3.975,2.25) 2(3.975,2.25) 3(-3.975,-2.25) 4(3.975,-2.25)
  silkscreen extent -2.75,-3 2.75,3, body extent -4.5,-3 4.5,3, height 4.3
TERM,HEADER,3X2PIN,P1.27,SMD [mm] "Amphenol ICC (FCI) 20021121-00006C4LF"
  rect 2.4x0.76 smd mask+0.05: 1(-1.95,1.27) 2(-1.95,0) 3(-1.95,-1.27) 4(1.95,-1.27) 5(1.95,0) 6(1.95,1.27)
  silkscreen extent -2.07,-1.9 0.45,2.31, body extent -2.75,-1.91 2.75,1.91, height 4.5
Term,Pad,3Pos,SMD [mm]
  rrect100% 3x5 smd mask+0.05: 1(-4,0) 2(0,0) 3(4,0)
  silkscreen extent -6,-11.25 6,3
TESTPOINT,SMD,ROUND,1MM [mm]
  round 1 smd: 1(0,0)
testpoint,smd,round,1mm [mm]
  round 1 smd: 1(0,0)
XTAL,SMD,2PIN,2.0X1.2MM [mm] "Micro Crystal AG CM8V-T1A-32.768KHZ-9PF-20PPM-TA-QC"
  rect 0.8x1.5 smd: 1(-0.75,0) 2(0.75,0)
  silkscreen extent -1.4,-1 1.4,1, body extent -1,-0.6 1,0.6, height 0.6
"XTAL,SMD,4 PIN,2X2.5MM" [mm] "Hosonic Electronic Co., Ltd E2SB40E000104E"
  rect 1x0.9 smd: 1(-0.85,-0.65) 2(0.85,-0.65) 3(0.85,0.65) 4(-0.85,0.65)
  silkscreen extent -1.94,-1.58 1.6,1.3, body extent -1.25,-1 1.25,1, height 0.65

## Part data
ANT500: library part ANT,2.45GHz,IFA,PCB, "2.4-GHz Inverted F Antenna", Manufacturer=N/A, CreatedBy="Judd Foster", HelpURL=https://www.ti.com/lit/an/swru120d/swru120d.pdf?ts=1646240772720&ref_url=https%253A%252F%252Fwww.google.com%252F, Manufacturer Part Number=N/A, Vendor=N/A, Vendor Part Number=N/A
B100: library part Holder,Cell,LR44,PCB,Thru, "Battery Retainer Coin, 11.6mm 1 Cell PC Pin", Manufacturer="Keystone Electronics", Manufacturer Part Number=2997, Vendor Part Number=36-2997-ND, CreatedBy="Judd Foster", HelpURL=https://www.keyelco.com/userAssets/file/M65p7.pdf, Vendor=Digikey
C100 C102 C104 C200 C202 C300 C301 C303 C304 C306 C307 C502 C503 C505 C508 C509 C516 C600 C602 C621 C622 C623 C624 C700 C702 C706 C707 C801 C803: library part CAP,Cer,100nF,25VDC,X7R,0402, "0.1µF ±10% 25V Ceramic Capacitor X7R 0402 (1005 Metric)", Manufacturer="Murata Electronics", Manufacturer Part Number=GRM155R71E104KE14J, Vendor Part Number=490-14603-1-ND, CreatedBy="Judd Foster", HelpURL=https://search.murata.co.jp/Ceramy/image/img/A01X/G101/ENG/GRM155R71E104KE14-01.pdf, Vendor=Digikey
C101 C103 C504 C507 C510 C612 C613 C701: library part CAP,Cer,1uF,35VDC,X5R,0402, "1 µF ±10% 35V Ceramic Capacitor X5R 0402 (1005 Metric)", Manufacturer="TDK Corporation", Manufacturer Part Number=C1005X5R1V105K050BC, Vendor Part Number=445-9073-1-ND, CreatedBy="Judd Foster", HelpURL=https://product.tdk.com/info/en/catalog/datasheets/mlcc_commercial_general_en.pdf?ref_disty=digikey, Vendor=Digikey
C105 C201 C203 C204 C302 C305 C506 C603 C604 C606 C607 C608 C609 C610 C611 C614 C615 C616 C618 C619 C620 C703: library part CAP,Cer,10uF,10VDC,X5R,0402, "10 µF ±20% 10V Ceramic Capacitor X5R 0402 (1005 Metric)", Manufacturer="Samsung Electro-Mechanics", Manufacturer Part Number=CL05A106MP5NUNC, Vendor Part Number=1276-1450-1-ND, CreatedBy="Judd Foster", HelpURL=https://media.digikey.com/pdf/Data%20Sheets/Samsung%20PDFs/CL05A106MP5NUNC_Spec.pdf, Vendor=Digikey
C500 C601: library part CAP,Cer,4.8pF,50VDC,C0G/NP0,0402, "4.8 pF ±0.25pF 50V Ceramic Capacitor C0G, NP0 0402 (1005 Metric)", Manufacturer="Murata Electronics", Manufacturer Part Number=GCQ1555C1H4R8CB01D, Vendor Part Number=490-17481-1-ND, CreatedBy="Judd Foster", HelpURL=https://search.murata.co.jp/Ceramy/image/img/A01X/G101/ENG/GCQ1555C1H4R8CB01-01.pdf, Vendor=Digikey
C501: library part CAP,Cer,3.9pF,50VDC,C0G/NP0,0402, "3.9 pF ±0.1pF 50V Ceramic Capacitor C0G, NP0 0402 (1005 Metric)", Manufacturer=KEMET, Manufacturer Part Number=CBR04C399B5GAC, Vendor Part Number=399-CBR04C399B5GACCT-ND, CreatedBy="Judd Foster", HelpURL=https://api.kemet.com/component-edge/download/datasheet/CBR04C399B5GAC.pdf, Vendor=Digikey
C511 C512: library part CAP,Cer,100pF,50VDC,C0G/NP0,0402, "100pF ±5% 50V Ceramic Capacitor C0G, NP0 0402 (1005 Metric)", Manufacturer="Murata Electronics", Manufacturer Part Number=GCM1555C1H101JA16D, Vendor Part Number=490-10669-1-ND, CreatedBy="Judd Foster", HelpURL=https://www.murata.com/~/media/webrenewal/support/library/catalog/products/capacitor/mlcc/c03e.ashx?la=en-us, Vendor=Digikey
C513 C514: library part CAP,Cer,12pF,50VDC,C0G/NP0,0402, "12pF ±5% 50V Ceramic Capacitor C0G, NP0 0402 (1005 Metric)", Manufacturer=Yageo, Manufacturer Part Number=CC0402JRNPO9BN120, Vendor Part Number=311-1016-1-ND, CreatedBy="Judd Foster", HelpURL=https://www.yageo.com/upload/media/product/productsearch/datasheet/mlcc/UPY-GP_NP0_16V-to-50V_18.pdf, Vendor=Digikey
C515: library part CAP,Cer,1uF,6.3VDC,X5R,0402, "1µF ±20% 6.3V Ceramic Capacitor X5R 0402 (1005 Metric)", Manufacturer="Samsung Electro-Mechanics", Manufacturer Part Number=CL05A105MQ5NNNC, Vendor Part Number=1276-1235-1-ND, CreatedBy="Judd Foster", HelpURL=https://media.digikey.com/pdf/Data%20Sheets/Samsung%20PDFs/CL_Series_MLCC_ds.pdf, Vendor=Digikey
C800 C802: library part CAP,Cer,4.7uF,16VDC,X5R,0402, "4.7 µF ±20% 16V Ceramic Capacitor X5R 0402 (1005 Metric)", Manufacturer="AVX Corporation", Manufacturer Part Number=0402YD475MAT2A, Vendor Part Number=478-10788-1-ND, CreatedBy="Judd Foster", HelpURL=https://datasheets.avx.com/cx5r.pdf, Vendor=Digikey
D100 D700 D701: library part DIODE,Gen,75V,200mA,SOD523F, "Diode Standard 75 V 200mA Surface Mount SOD-523F", Manufacturer="ON Semiconductor", Vendor Part Number=1N4148WTCT-ND, CreatedBy="Judd Foster", HelpURL=https://rocelec.widen.net/view/pdf/bnxdzepaue/ONSM-S-A0003584797-1.pdf?t.download=true&u=5oefqw, Manufacturer Part Number=1N4148WT, Vendor=Digikey
D400 D401 D402: library part LED,Red,5mm,Thru, "Red 623nm LED Indication - Discrete 2V Radial", Manufacturer="TT Electronics/Optek Technology", Manufacturer Part Number=OVLFR3C7, Vendor Part Number=365-1182-ND, CreatedBy="Judd Foster", HelpURL=https://www.ttelectronics.com/TTElectronics/media/ProductFiles/Datasheets/OVLFx3C7.pdf, Vendor=Digikey
D500 D600 D601 D702 D800 D801: library part LED,Green,SMD,0603, "Green 530nm LED Indication - Discrete 3V 0603 (1608 Metric)", Manufacturer="Stanley Electric Co", Manufacturer Part Number=THG1111C-0005-TR, Vendor Part Number=404-1286-1-ND, CreatedBy="Judd Foster", HelpURL=http://www.stanley-components.com/php/downloaddatafile.php?rp=0,THG1111C-0005_e.pdf, Vendor=Digikey
D602 D603 D604: library part DIODE,Schottky,40V,3A,SMD, "Diode Schottky 40V 3A Surface Mount CFP5", Manufacturer="Nexperia USA Inc.", Vendor Part Number=1727-5841-1-ND, CreatedBy="Judd Foster", HelpURL=https://assets.nexperia.com/documents/data-sheet/PMEG4030EP.pdf, Manufacturer Part Number=PMEG4030EP,115, Vendor=Digikey
J400 J401 J402 J403: "SMD pads for soldering wires with strain relief", Manufacturer=N/A, Created By="Judd Foster", HelpURL=N/A, Manufacturer Part Number=N/A, Vendor=N/A, Vendor Part Number=N/A
J600: "Connector Header Surface Mount, Right Angle 2 position 0.079\" (2.00mm)", Manufacturer="Hirose Electric Co Ltd", Manufacturer Part Number=DF3EA-2P-2H(21), Vendor Part Number=H125443CT-ND, Created By="Judd Foster", HelpURL=https://www.hirose.com/product/document?clcode=CL0543-0329-0-21&productname=DF3EA-2P-2H(21)&series=DF3&documenttype=2DDrawing&lang=en&documentid=0001258196, Vendor=Digikey
J700: "Connector Header Surface Mount 6 position 0.050\" (1.27mm)", Manufacturer="Amphenol ICC (FCI)", Manufacturer Part Number=20021121-00006C4LF, Vendor Part Number=609-3693-1-ND, CreatedBy="Judd Foster", HelpURL=https://media.digikey.com/pdf/Data%20Sheets/FCI%20PDFs/Minitek%20127_Catalog.pdf, Vendor=Digikey
J701: "3.50mm (0.141\", 1/8\", Mini Plug) - Headphone Phone Jack Stereo (4 Conductor, TRRS) Connector Solder", Manufacturer="CUI Devices", Manufacturer Part Number=SJ-435107RS, Vendor Part Number=CP-435107RS-ND, CreatedBy="Judd Foster", HelpURL=https://www.cuidevices.com/product/resource/digikeypdf/sj-435107.pdf, Vendor=Digikey
J800: library part Conn,USB_C,SMD, "USB-C (USB TYPE-C) USB 2.0 Receptacle Connector 24 (16+8 Dummy) Position Surface Mount, Right Angle", Manufacturer=GCT, Manufacturer Part Number=USB4110-GF-A, Vendor Part Number=2073-USB4110-GF-A-1-ND, CreatedBy="Judd Foster", HelpURL=https://gct.co/files/drawings/usb4110.pdf, Vendor=Digikey
L200: library part IND,4.7uH,80mA,Multilayer,0805, "4.7 µH Shielded Multilayer Inductor 80 mA 300mOhm 0805 (2012 Metric)", Manufacturer="TDK Corporation", Manufacturer Part Number=MLZ2012E4R7MT000, Vendor Part Number=445-3169-1-ND, CreatedBy="Judd Foster", HelpURL=https://product.tdk.com/en/system/files?file=dam/doc/product/inductor/inductor/smd/catalog/inductor_commercial_decoupling_mlz2012_en.pdf, Vendor=Digikey
L500: library part IND,1.8nH,900mA,Multilayer,0402, "1.8 nH Unshielded Multilayer Inductor 900 mA 100mOhm Max 0402 (1005 Metric)", Manufacturer="Murata Electronics", Manufacturer Part Number=LQG15HN1N8S02D, Vendor Part Number=490-1076-1-ND, CreatedBy="Judd Foster", HelpURL=https://search.murata.co.jp/Ceramy/image/img/P02/JELF243B-0009.pdf, Vendor=Digikey
L501: library part IND,2.7nH,800mA,Multilayer,0402, "2.7nH Unshielded Multilayer Inductor 800mA 150mOhm Max 0402 (1005 Metric)", Manufacturer="Murata Electronics", Manufacturer Part Number=LQG15HS2N7S02D, Vendor Part Number=490-2615-1-ND, CreatedBy="Judd Foster", HelpURL=https://psearch.en.murata.com/inductor/product/LQG15HS2N7S02_.pdf, Vendor=Digikey
L600 L601 L602: library part IND,4.7uH,2.6A,Wirewound,SMD, "4.7µH Shielded Wirewound Inductor 2.6A 45.5mOhm Max Nonstandard", Manufacturer="Taiyo Yuden", Manufacturer Part Number=NRS5030T4R7MMGJV, Vendor Part Number=587-3605-1-ND, CreatedBy="Judd Foster", HelpURL=https://ds.yuden.co.jp/TYCOMPAS/ut/detail?pn=NRS5030T4R7MMGJV%20%20&u=M, Vendor=Digikey
L603 L800: library part Ferrite,470R@100MHz,0402, "470 Ohms @ 100 MHz 1 Power Line Ferrite Bead 0402 (1005 Metric) 1A 200mOhm", Manufacturer="Murata Electronics", Manufacturer Part Number=BLM15PX471SN1D, Vendor Part Number=490-10662-1-ND, CreatedBy="Judd Foster", HelpURL=https://www.murata.com/en-us/products/productdata/8796740059166/ENFA0018.pdf, Vendor=Digikey
NT200: Manufacturer=N/A, CreatedBy="Makan Mousavi", HelpURL=N/A, Manufacturer Part Number=N/A, Vendor=N/A, Vendor Part Number=N/A
Q100 Q600 Q601: library part "MOSFET,P Ch,20V,3.2A", "P-Channel 20 V 3.2A (Ta) 1.4W (Ta) Surface Mount SOT-23-3", Manufacturer="Diodes Incorporated", Vendor Part Number=DMP2160UDICT-ND, CreatedBy="Judd Foster", HelpURL=https://media.digikey.com/pdf/Data%20Sheets/Diodes%20PDFs/DMP2160U.pdf, Manufacturer Part Number=DMP2160U-7, Vendor=Digikey
Q602 Q603 Q800 Q801: library part Trans,NPN,40V,200mA,SOT1123, "Bipolar (BJT) Transistor NPN 40 V 200 mA 200MHz 290 mW Surface Mount SOT-1123", Manufacturer="ON Semiconductor", Vendor Part Number=NST3904F3T5GOSCT-ND, CreatedBy="Judd Foster", HelpURL=https://www.onsemi.com/pdf/datasheet/nst3904f3-d.pdf, Manufacturer Part Number=NST3904F3T5G, Vendor=Digikey
Q604: library part "MOSFET,N Ch,30V,10A", "N-Channel 30 V 10A (Ta) 2.1W (Ta) Surface Mount DFN2020MD-6", Manufacturer="Nexperia USA Inc.", Vendor Part Number=1727-7662-1-ND, CreatedBy="Ritesh Nandakumar", HelpURL=https://assets.nexperia.com/documents/data-sheet/PMPB25ENE.pdf, Manufacturer Part Number=PMPB25ENEX, Vendor=Digikey
R100 R103 R804 R805: library part RES,0R0,0.1W,0402, "0 Ohms Jumper 0.1W, 1/10W Chip Resistor 0402 (1005 Metric) Automotive AEC-Q200 Thick Film", Manufacturer="Panasonic Electronic Components", Manufacturer Part Number=ERJ-2GE0R00X, Vendor Part Number=P0.0JCT-ND, CreatedBy="Judd Foster", HelpURL=https://industrial.panasonic.com/cdbs/www-data/pdf/RDA0000/AOA0000C301.pdf, Vendor=Digikey
R101 R102: library part RES,2k55,1%,0.063W,0402, "2.55 kOhms ±1% 0.063W, 1/16W Chip Resistor 0402 (1005 Metric) Automotive AEC-Q200 Thick Film", Manufacturer="Stackpole Electronics Inc", Manufacturer Part Number=RMCF0402FT2K55, Vendor Part Number=RMCF0402FT2K55CT-ND, CreatedBy="Judd Foster", HelpURL=https://www.seielect.com/catalog/sei-rmcf_rmcp.pdf, Vendor=Digikey
R200 R201 R202 R207 R214 R215 R216 R219 R220 R222 R700 R803: library part RES,1k,5%,0.063W,0402, "1 kOhms ±5% 0.063W, 1/16W Chip Resistor 0402 (1005 Metric) Automotive AEC-Q200 Thick Film", Manufacturer="Stackpole Electronics Inc", Manufacturer Part Number=RMCF0402JT1K00, Vendor Part Number=RMCF0402JT1K00CT-ND, CreatedBy="Judd Foster", HelpURL=https://www.seielect.com/catalog/sei-rmcf_rmcp.pdf, Vendor=DIgikey